# Altium PCB BMSRev3.PcbDoc (part 1 of 2)
Units mil, origin at the board's own origin, x right, y up, seen from the top; angles counter-clockwise.
Board outline 5720 x 3795.51 mil, 4 copper layers (Top Layer, GND, PWR, Bottom Layer), stack 61.811 mil thick; 150 components, 153 nets, 541 pads, 351 vias.
Unrouted connection lines stored in the file: 3.
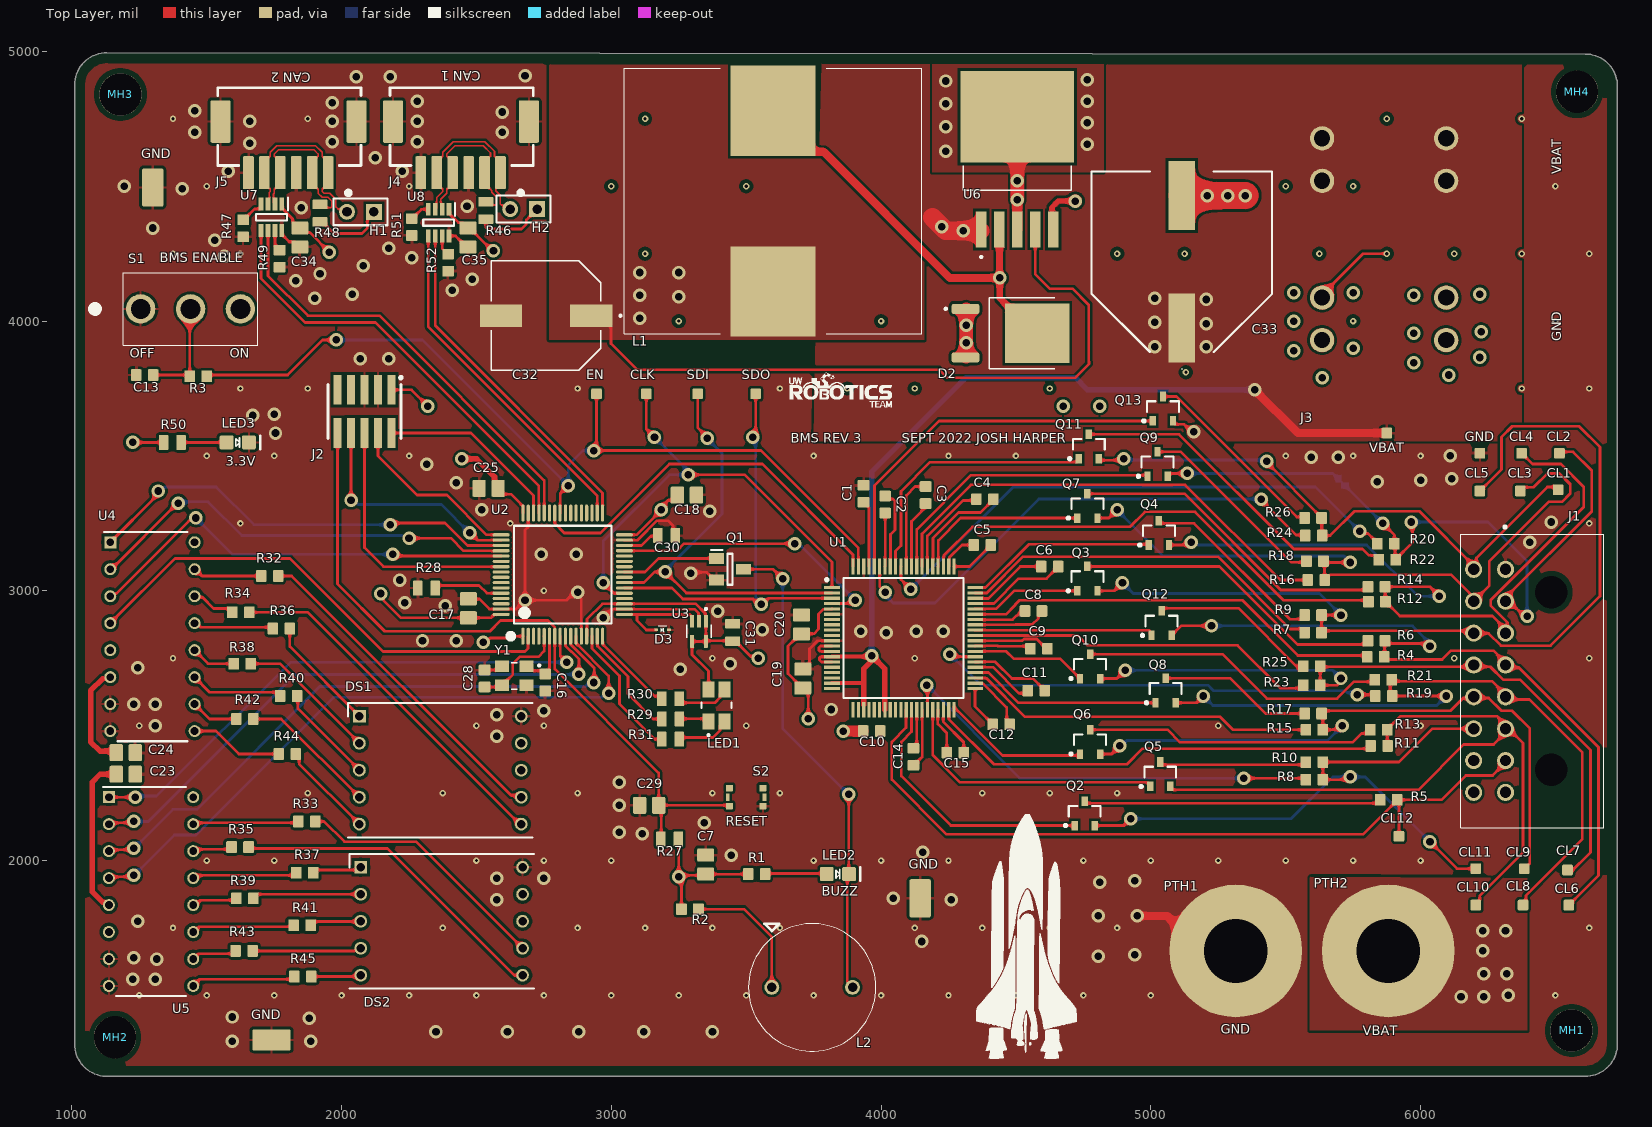
[diagram p0: Top Layer view]
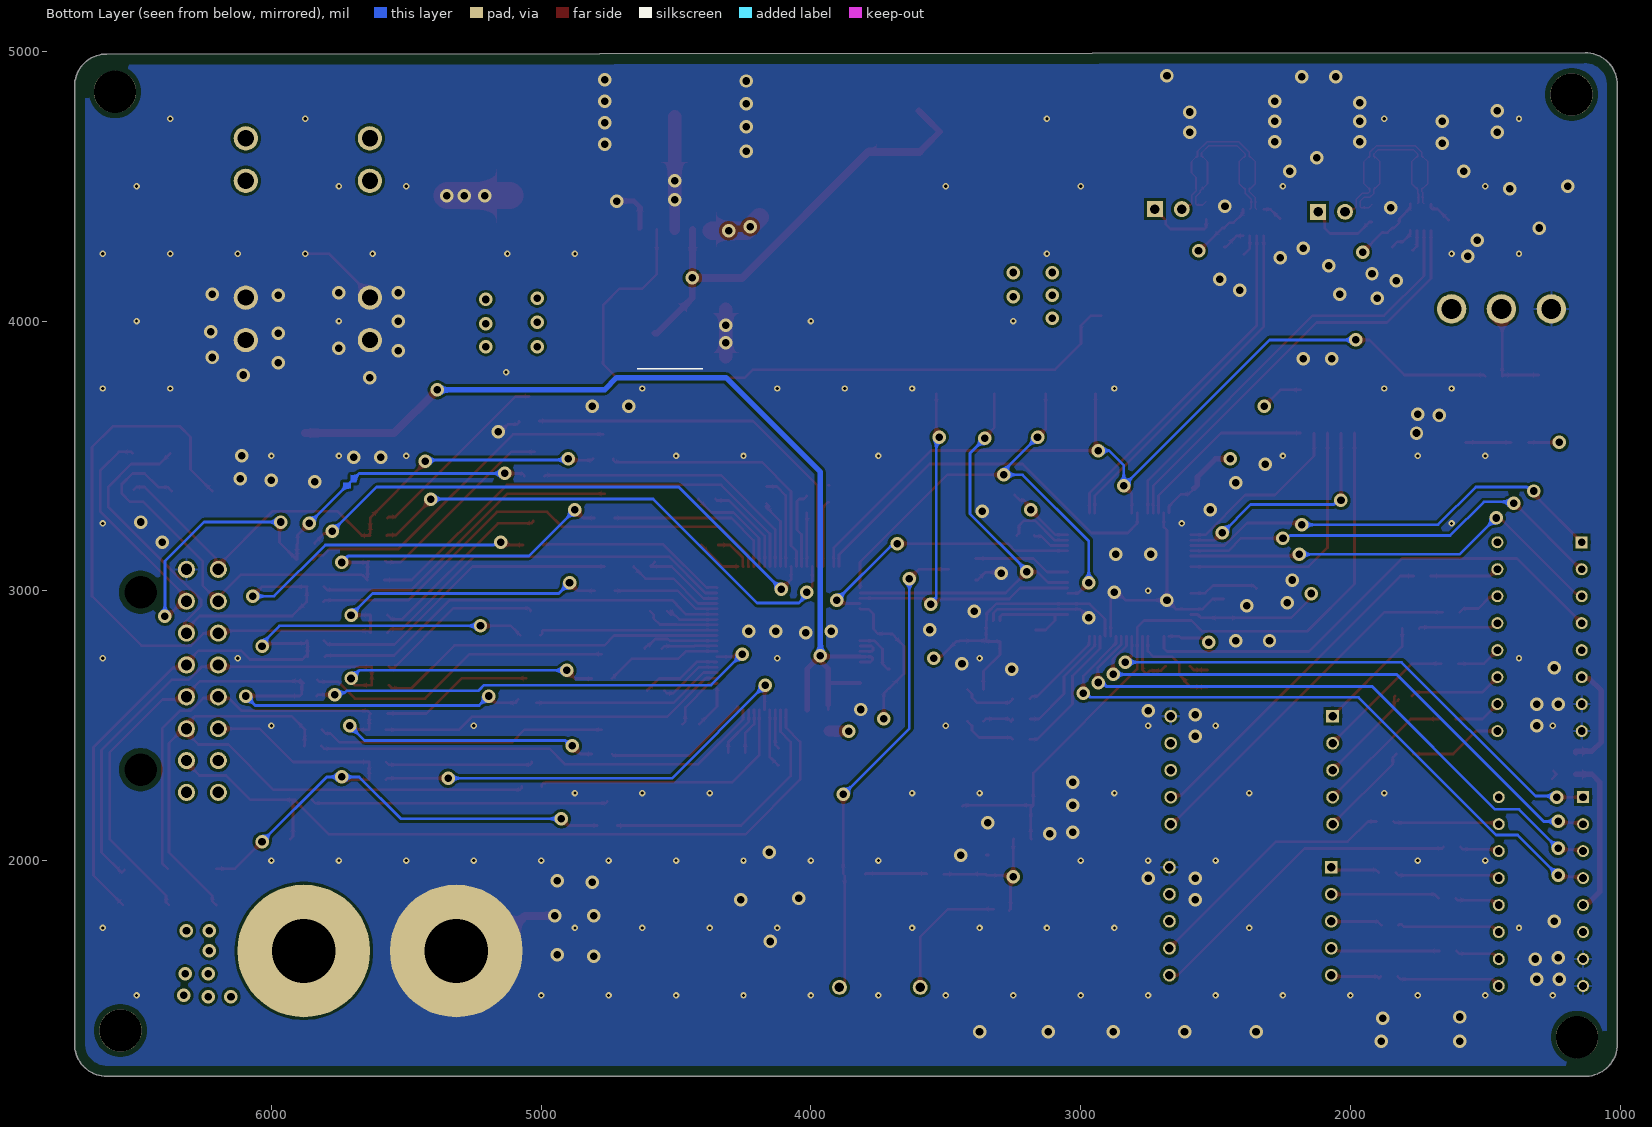
[diagram p1: Bottom Layer view, seen from below]
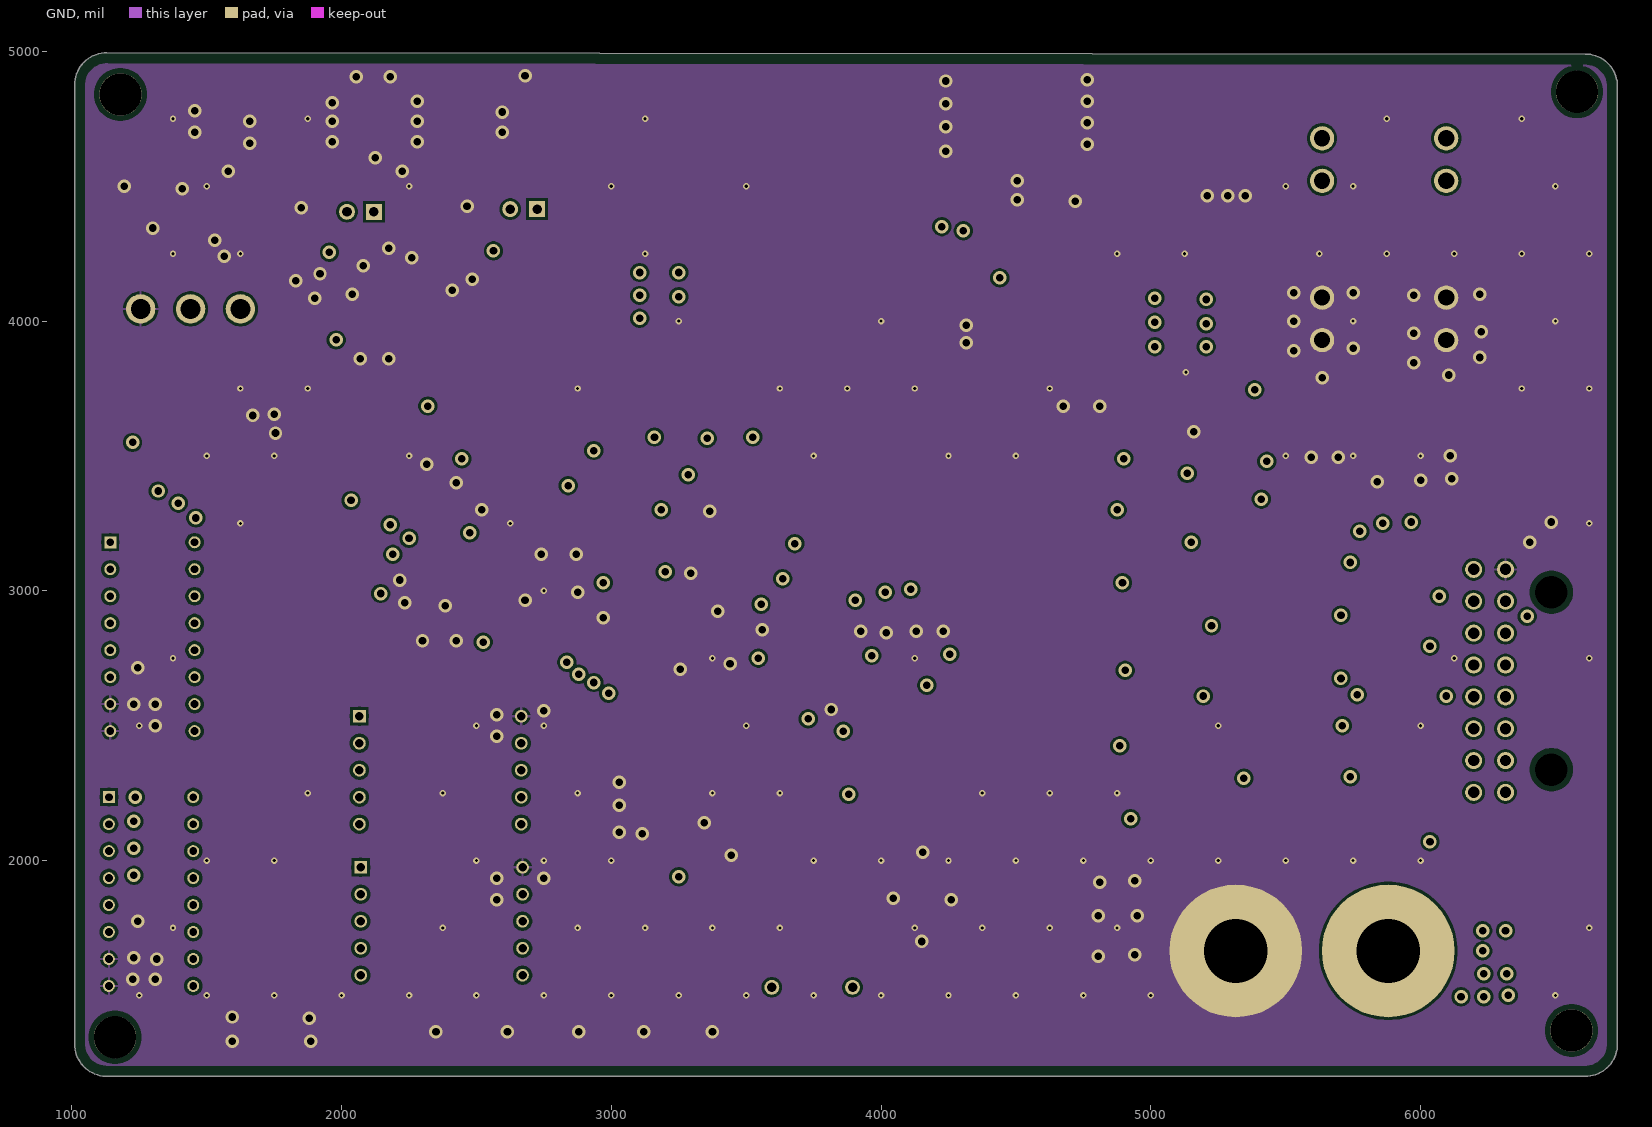
[diagram p2: GND]
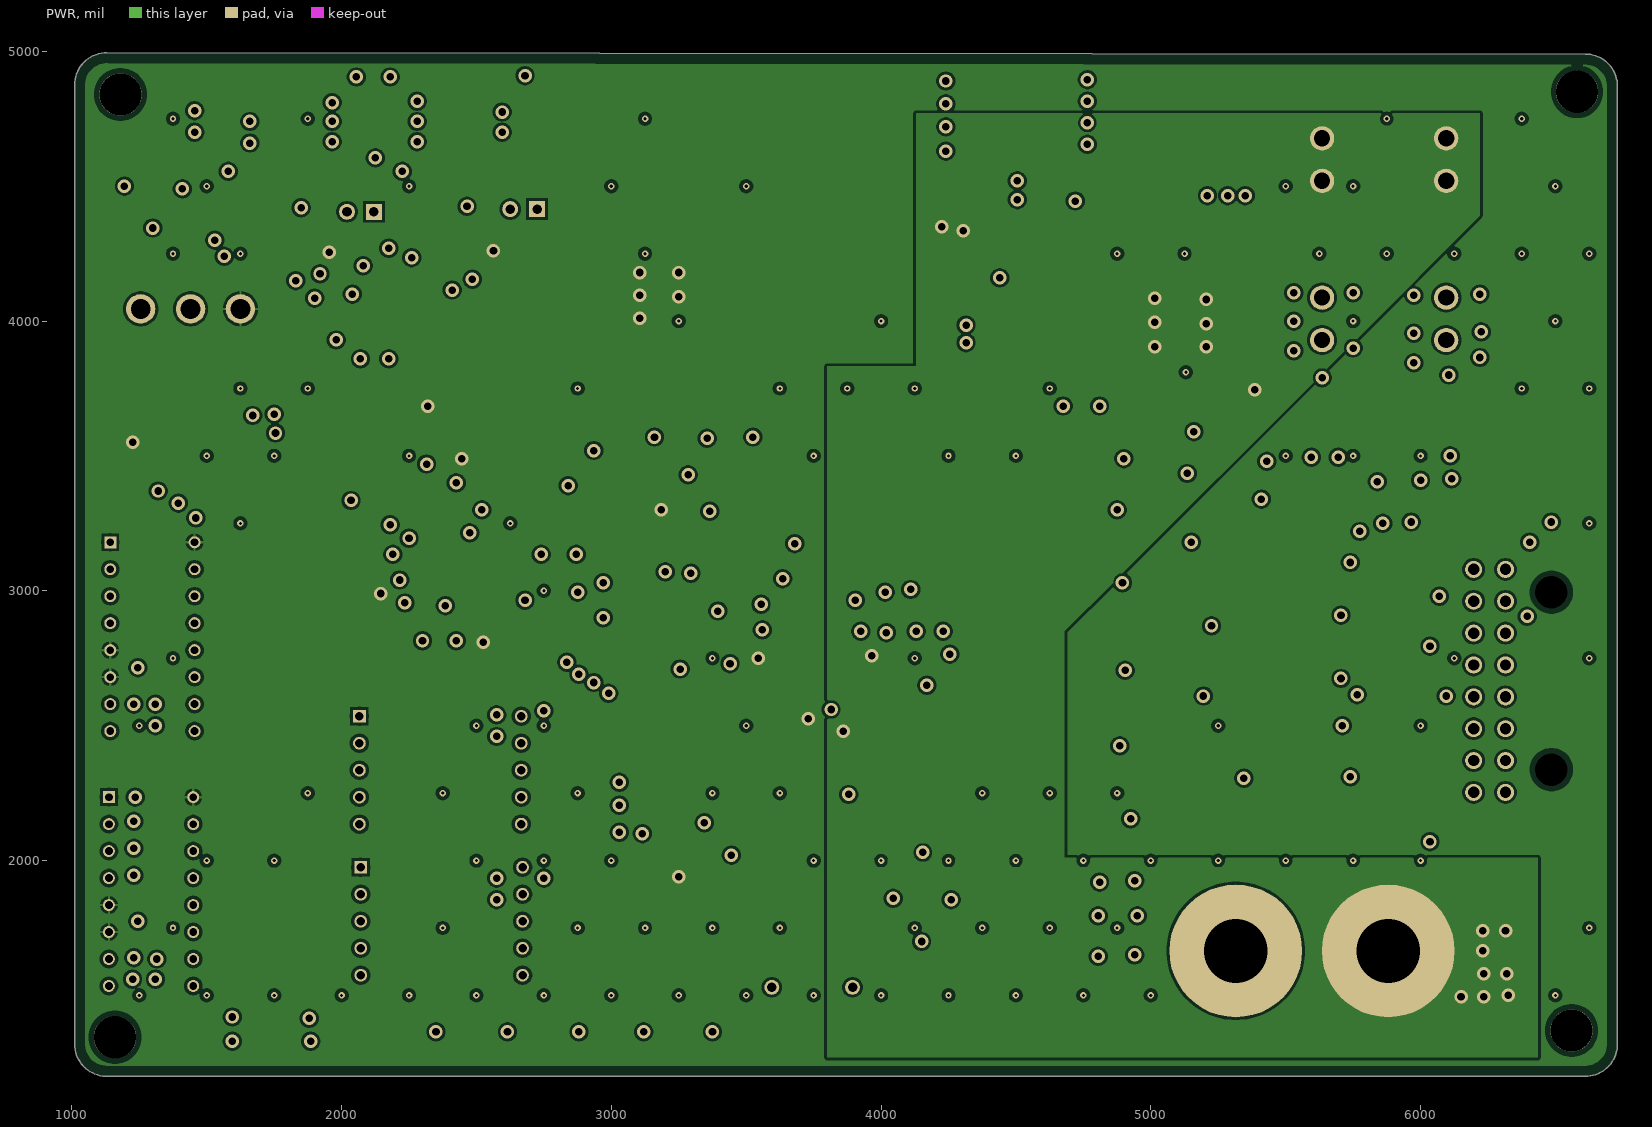
[diagram p3: PWR]
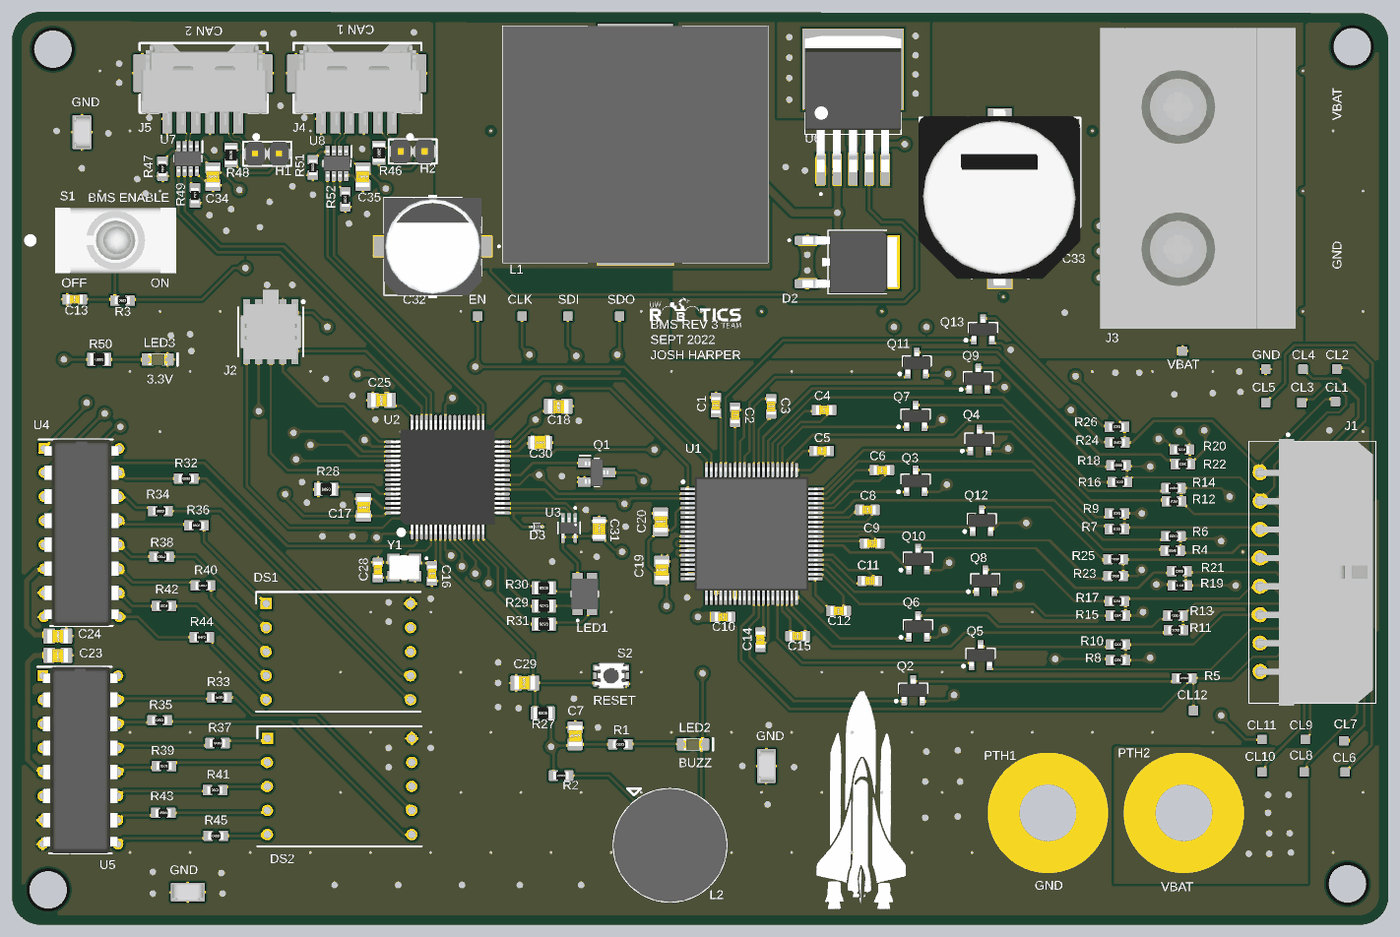
[diagram p5: 3D render of the assembled board from above, using the file's embedded part models]

## Layer stack, top to bottom
Top Solder: solder mask 0.5, Solder Resist, Dk 3.8
Top Layer: signal copper 1.378
Dielectric 1: prepreg 7.874, 7628, Dk 4.6
GND: signal copper 0.689
Core: core 41.929, FR-4, Dk 4.5
PWR: signal copper 0.689
Dielectric 2: prepreg 7.874, 7628, Dk 4.6
Bottom Layer: signal copper 1.378
Bottom Solder: solder mask 0.5, Solder Resist, Dk 3.8

## Board outline
1010,1320 1010,4875 cw(c1130,4875) 1130,4995 1130,4995.51 6610,4990 cw(c6610,4870) 6730,4870 6730,1320 cw(c6610,1320) 6610,1200 1135,1200.1 cw(c1130,1320)

## Design rules (kind name [scope] priority, off if disabled: settings)
BoardOutlineClearance [All] p1: gap=39.37 ignorepadtopadclearanceinfootprint=FALSE
Clearance [All] p1: gap=10 ignorepadtopadclearanceinfootprint=FALSE except(5: SMDPad-SMDPad; 19.68: Arc-Hole Track-Hole SMDPad-Hole THPad-Hole Via-Hole Fill-Hole Poly-Hole Region-Hole Text-Hole)
DiffPairsRouting [All] p1: maxlimit=10 minlimit=9.06 mostfreqgap=10 toplayer_maxgap=9.06 toplayer_prefgap=9.06 toplayer_minwidth=5.91 toplayer_maxwidth=5.91 toplayer_prefwidth=5.91 bottomlayer_maxgap=9.06 bottomlayer_prefgap=9.06 bottomlayer_minwidth=5.91 bottomlayer_maxwidth=5.91 bottomlayer_prefwidth=5.91 impedanceprofiledriven=TRUE impedanceprofileid={C11395B4-9390-49C7-81BF-66866515CBA5} impedanceprofilevalue=120.000000 maxuncoupledlength=500
Height [All] p1: minheight=0 maxheight=2000 prefheight=500
HoleSize [All] p1: absolutevalues=TRUE maxlimit=250 minlimit=10 maxpercent=80.000 minpercent=20.000
HoleToHoleClearance [All] p1: gap=20 allowstackedmicrovias=TRUE
MinimumAnnularRing [All] p1: minimumring=5
MinimumSolderMaskSliver [All] p1: minsoldermaskwidth=3
PolygonConnect [All] p1: thpad.connectstyle=Relief thpad.reliefconductorwidth=10 thpad.reliefentries=4 thpad.polygonreliefangle="90 Angle" thpad.airgapwidth=10 smdpad.connectstyle=Relief smdpad.reliefconductorwidth=10 smdpad.reliefentries=4 smdpad.polygonreliefangle="90 Angle" smdpad.airgapwidth=10 via.connectstyle=Direct via.reliefconductorwidth=10 via.reliefentries=4 via.polygonreliefangle="90 Angle" via.airgapwidth=10
RoutingVias [All] p1: holewidth=28 width=50 viastyle="Through Hole" minholewidth=28 minwidth=50 maxholewidth=28 maxwidth=50
SilkToSilkClearance [All] p1: silktosilkclearance=2
SilkToSolderMaskClearance [IsPad] p1: minsilkscreentomaskgap=2 clearancetoexposedcopper=TRUE
SolderMaskExpansion [All] p1: expansion=4 istentingtop=FALSE
Width [All] p1: maxlimit=100 minlimit=3.5 preferedwidth=10 midlayer1_minwidth=10 midlayer2_minwidth=10 minimp=50.000000 maximp=50.000000 favimp=50.000000
23 further rules are at their usual default settings.

## Classes and differential pairs
differential pair class CAN120: CANA CANB
component class Power: 3.3V C25 C32 C33 D2 J3 L1 LED3 R50 U6
component class Microcontroller: C16 C18 C19 C20 C28 C29 C30 C31 D3 J2 LED1 MH1 MH2 MH3 MH4 R27 R28 R29 R30 R31 S2 U2 U3 Y1
component class Display: C23 C24 DS1 DS2 R32 R33 R34 R35 R36 R37 R38 R39 R40 R41 R42 R43 R44 R45 U4 U5
component class CAN: C34 C35 H1 H2 J4 J5 R46 R47 R48 R49 U8
component class BMSRev3: C1 C2 C3 C4 C5 C6 C7 C8 C9 C10 C11 C12 C13 C14 C15 C17 CLK EN J1 L2 LED2 PTH1 PTH2 Q1 R1 R2 R3 S1 SDI SDO U1 VBAT
component class BatteryBalancingRev3: CL1 CL3 CL5 CL7 CL9 CL11 Q2 Q3 Q4 Q5 Q6 Q7 Q8 Q9 Q10 Q11 Q12 Q13 R4 R5 R6 R7 R8 R9 R10 R11 R12 R13 R14 R15 R16 R17 R18 R19 R20 R21 R22 R23 R24 R25 R26
differential pair CANB: +CANB_P -CANB_N
differential pair CANA: +CANA_P -CANA_N

## Components (designator, comment, footprint, x,y, rotation, side; value= is the part's Value field where it differs from the comment)
C1 "CAP_1uF_50V_0603" CAP0603 3935,3360 r270 top value=1μF
C2 "CAP_1uF_50V_0603" CAP0603 4015,3320 r90 top value=1μF
C3 "CAP_1uF_50V_0603" CAP0603 4165,3355.03 r270 top value=1μF
C4 "CAP_1uF_50V_0603" CAP0603 4385,3340 r0 top value=1μF
C5 "CAP_1uF_50V_0603" CAP0603 4375,3170 r0 top value=1μF
C6 "CAP_1uF_50V_0603" CAP0603 4625,3090 r0 top value=1μF
C7 "CAP_0.1uF_50V_0805" CAP2012 3350,1985 r270 top value=0.1μF
C8 "CAP_1uF_50V_0603" CAP0603 4565,2925 r0 top value=1μF
C9 "CAP_1uF_50V_0603" CAP0603 4585,2785 r180 top value=1μF
C10 "CAP_0.1uF_10V_0603" CAP0603 3965,2480 r180 top value=0.1µF
C11 "CAP_1uF_50V_0603" CAP0603 4575,2630 r180 top value=1μF
C12 "CAP_1uF_50V_0603" CAP0603 4445,2505 r180 top value=1μF
C13 "CAP_0.1uF_16V_0603" CAP0603 1270,3800 r0 top value=0.1μF
C14 "CAP_1uF_50V_0603" CAP0603 4120,2385 r90 top value=1μF
C15 "CAP_1uF_50V_0603" CAP0603 4275,2400 r180 top value=1μF
C16 "CAP_14pF_50V_0603" CAP0603 2755,2660 r90 top value=14pF
C17 "CAP_0.1uF_50V_0805" CAP2012 2470,2935 r270 top value=0.1μF
C18 "CAP_0.1uF_50V_0805" CAP2012 3280,3355 r180 top value=0.1μF
C19 "CAP_0.1uF_50V_0805" CAP2012 3710,2674.76 r270 top value=0.1μF
C20 "CAP_0.1uF_50V_0805" CAP2012 3705,2875 r270 top value=0.1μF
C23 "CAP_0.1uF_50V_0805" CAP2012 1200,2320 r180 top value=0.1μF
C24 "CAP_0.1uF_50V_0805" CAP2012 1200,2400 r180 top value=0.1μF
C25 "CAP_0.1uF_50V_0805" CAP2012 2545,3380 r0 top value=0.1μF
C28 "CAP_14pF_50V_0603" CAP0603 2530,2675 r270 top value=14pF
C29 "CAP_1uF_50V_0805" CAP2012 3140.24,2204.76 r0 top value=1μF
C30 "CAP_4.7uF_16V_0805" CAP0805 3205,3205 r180 top value=4.7μF
C31 "CAP_0.01uF_100V_0805" CAP0805 3449.9,2845.48 r270 top value=0.01μF
C32 "PCJ0J152MCL1GS" CAPAE1030X1080N 2758.07,4020 r180 top
C33 "EEV-FK1K331M" EEEFK0J682AM 5115,4220 r90 top
C34 "CAP_0.1uF_50V_0805" CAP2012 1845,4310 r90 top value=0.1μF
C35 "CAP_0.1uF_50V_0805" CAP2012 2468.11,4310 r90 top value=0.1μF
CL1 "TESTPOINT_1MM_SQUARE" TESTPOINT_SQUARE_1MM 6510,3375 r0 top (schematic designator TP14)
CL2 "TESTPOINT_1MM_SQUARE" TESTPOINT_SQUARE_1MM 6515,3510 r180 top (schematic designator TP12)
CL3 "TESTPOINT_1MM_SQUARE" TESTPOINT_SQUARE_1MM 6370,3370 r180 top (schematic designator TP10)
CL4 "TESTPOINT_1MM_SQUARE" TESTPOINT_SQUARE_1MM 6375,3510 r180 top (schematic designator TP8)
CL5 "TESTPOINT_1MM_SQUARE" TESTPOINT_SQUARE_1MM 6220,3370 r180 top (schematic designator TP5)
CL6 "TESTPOINT_1MM_SQUARE" TESTPOINT_SQUARE_1MM 6550,1835 r0 top (schematic designator TP4)
CL7 "TESTPOINT_1MM_SQUARE" TESTPOINT_SQUARE_1MM 6545,1965 r0 top (schematic designator TP13)
CL8 "TESTPOINT_1MM_SQUARE" TESTPOINT_SQUARE_1MM 6380,1835 r180 top (schematic designator TP11)
CL9 "TESTPOINT_1MM_SQUARE" TESTPOINT_SQUARE_1MM 6385,1970 r180 top (schematic designator TP9)
CL10 "TESTPOINT_1MM_SQUARE" TESTPOINT_SQUARE_1MM 6205,1835 r180 top (schematic designator TP7)
CL11 "TESTPOINT_1MM_SQUARE" TESTPOINT_SQUARE_1MM 6205,1970 r180 top (schematic designator TP6)
CL12 "TESTPOINT_1MM_SQUARE" TESTPOINT_SQUARE_1MM 5920,2090 r0 top (schematic designator TP3)
CLK "TESTPOINT_1MM_SQUARE" TESTPOINT_SQUARE_1MM 3130,3730 r90 top (schematic designator TP16)
D2 "SBRD10200TR" DPAK228P1005X240-4N 4480,3955 r270 top
D3 "ESD9C3.3ST5G" ESD9C3.3ST5G 3190,2855 r0 top
DS1 "LSHD-5503" DIPS1524W50P254L1240H825Q10N 2066,2535 r0 top
DS2 "LSHD-5503" DIPS1524W50P254L1240H825Q10N 2071,1975 r0 top
EN "TESTPOINT_1MM_SQUARE" TESTPOINT_SQUARE_1MM 2945,3730 r270 top (schematic designator TP2)
GND "TESTPOINT_SMD_LOOP" S1751-46R 4145,1860 r90 top (schematic designator TP21)
GND "TESTPOINT_SMD_LOOP" S1751-46R 1740,1335 r180 top (schematic designator TP20)
GND "TESTPOINT_SMD_LOOP" S1751-46R 1300,4495 r90 top (schematic designator TP19)